# KiCad board 11-10084__speedy_processing_module__B.kicad_pcb (continued)
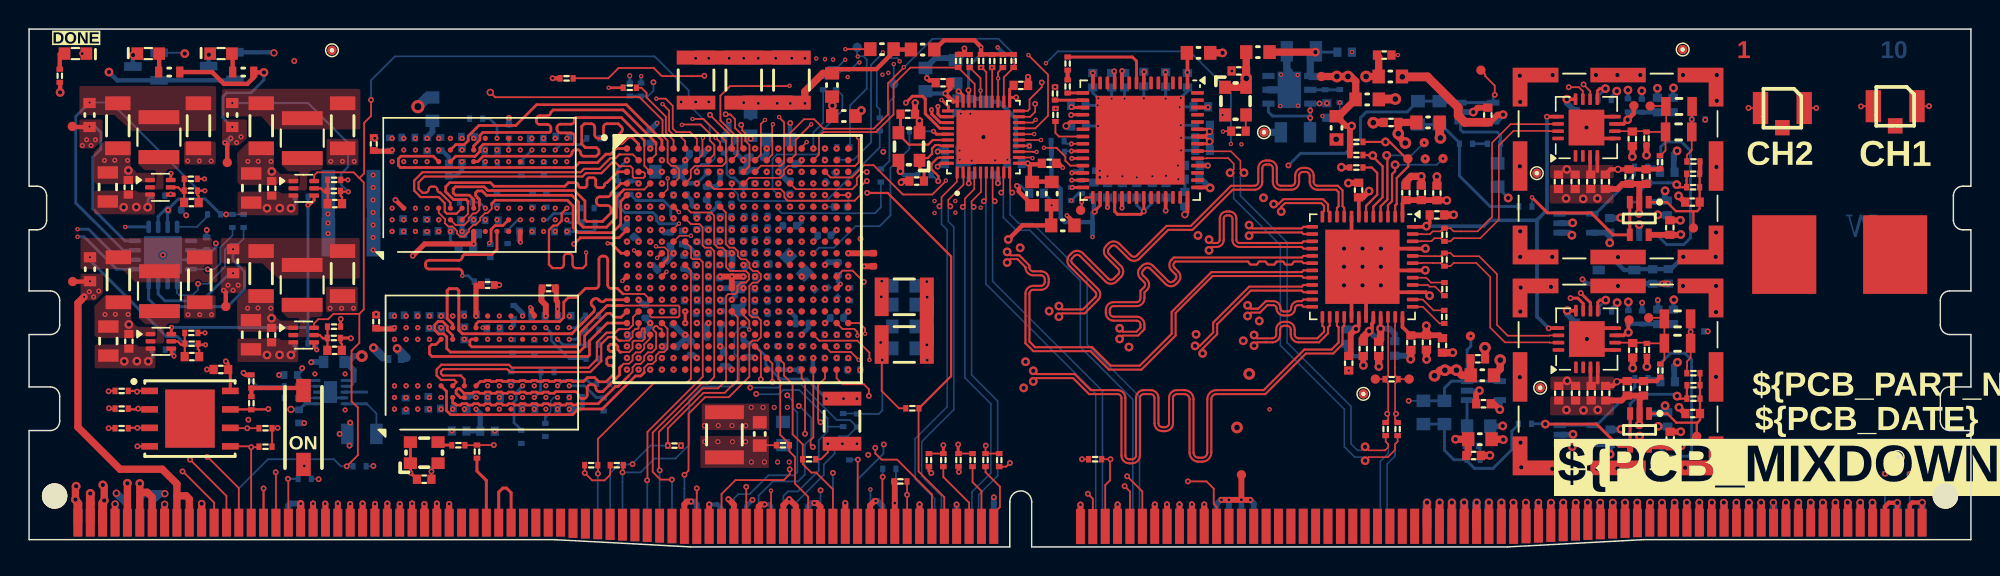
[diagram p0: board, top side]
## Routing (per net, layer and track width the routed paths; a pad name or vN(x,y) marks a point on that pad's centre or on a via; arc(x,y) is an arc through that point) (continued)
/TOP_LEVEL_IO/TTC0_IN: length 28.7
  L7 w0.12: v2(53.06,24.19) 54.28,22.96 54.28,14.27 55.06,13.49 55.06,12.4 56.03,11.43 58.56,11.43 60.68,9.31 60.68,4.99 59.64,3.95 v2(57.78,3.95)
  L10 w0.12: 57.78,2.39 57.78,3.51 57.78,3.51 v2(57.78,3.95)
/TOP_LEVEL_IO/TTC0_OUT: length 32.5
  L7 w0.12: v1(58.69,7.04) 58.69,7.91 57.61,8.99 51.81,8.99 51.6,9.2 51.6,11.58 51.06,12.13 51.06,25.06 51.32,25.32 51.79,25.32 v2(52.26,25.79)
  L10 w0.12: JEDEC1.208 56.9,4.64 58.67,6.41 58.67,7.02 v1(58.69,7.04)
/TOP_LEVEL_IO/UART1_RX: length 32
  L1 w0.12: v1(57.52,25.77) 57.26,25.77 56.84,25.35 56.84,24.9 56.53,24.59 52.65,24.59 IC1.D15
  L3 w0.12: 55.16,5.13 v1(55.2,5.09) 55.37,5.26 55.37,10.78 55.06,11.08 55.06,20.38 55.9,21.22 55.9,22.64 56.74,23.48 56.74,25.33 57.18,25.77 v1(57.52,25.77)
  L10 w0.12: v1(55.2,5.09) JEDEC1.206
/TOP_LEVEL_IO/UART1_TX: length 27.8
  L3 w0.12: v1(54.35,3.89) 54.35,3.94 54.33,3.97 54.33,7.5 54.81,7.98 54.81,9.2 54.25,9.76 54.25,21.11 53.77,21.6 53.34,21.6 51.92,23.01 51.92,26.92 v2(51.46,27.39)
  L10 w0.12: v1(54.35,3.89) 54.35,3.79 54.35,3.79 JEDEC1.205
/TOP_LEVEL_IO/VCM: length 26.2
  L1 w0.25: v1(104.23,29.58) 104.23,29.58 U3.13 ; v1(104.36,15.03) 104.37,15.04 U7.13 ; U9.48 95.92,22.01 v3(95.96,22.05) 96.18,22.27 C45.2
  L10 w0.25: v1(104.36,15.03) 103.56,15.83 103.56,22.44 103.57,22.45 ; 103.57,22.45 100.3,22.45 99.9,22.05 v3(95.96,22.05) ; 103.57,22.45 103.57,22.49 104.24,23.16 104.24,29.57 v1(104.23,29.58)
/TOP_LEVEL_IO/ZYNQ_CONFIG/PS_CLK: length 32
  L1 w0.114: R59.1 v1(31.91,7) ; R53.2 30.74,6.99
  L5 w0.102: v1(31.91,7) 31.93,7.02 40.43,7.02 45.13,11.72 45.13,12.88 47.88,15.63 47.88,20.04 47.12,20.8 47.12,23.71 46.64,24.19 46.45,24.19 v2(45.86,24.19)
/TOP_LEVEL_IO/ZYNQ_FPGA/D1A+: length 62.1
  L1 w0.143: v3(70.72,16.56) 70.95,16.33 72.37,16.33 73.21,17.17 arc(73.29,17.36) 73.21,17.54 71.45,19.3 arc(71.3,19.68) 71.45,20.06 71.6,20.2 arc(71.98,20.36) 72.35,20.2 74.11,18.44 arc(74.3,18.36) 74.49,18.44 74.79,18.75 arc(74.87,18.93) 74.79,19.12 73.97,19.94 arc(73.81,20.32) 73.97,20.7 74.11,20.84 arc(74.49,21) 74.87,20.84 75.69,20.02 arc(75.88,19.94) 76.06,20.02 78.11,22.07 79.78,22.07 82.54,24.83 84.15,24.83 arc(84.34,24.91) 84.41,25.09 84.41,26.03 arc(84.57,26.41) 84.95,26.57 85.15,26.57 arc(85.53,26.41) 85.69,26.03 85.69,25.09 arc(85.76,24.91) 85.95,24.83 86.68,24.83 arc(86.87,24.91) 86.94,25.09 86.94,25.52 arc(87.1,25.9) 87.48,26.06 87.68,26.06 arc(88.06,25.9) 88.22,25.52 88.22,25.09 arc(88.29,24.91) 88.48,24.83 89.88,24.83 90.2,24.5 90.2,23.42 90.32,23.31 U9.9
  L5 w0.133: v3(70.72,16.56) 70.95,16.33 71.36,16.33 71.7,16.66 71.7,17.05 71.33,17.42 70.03,17.42 68.67,16.06 56.67,16.06 56.46,15.84 56.11,15.84 55.92,16.04 54.78,16.04 54.38,15.64 53.64,15.64 53.25,16.03 53.25,16.57 53.51,16.83 53.51,17.13 53.71,17.33 53.86,17.33 v2(53.86,17.79)
/TOP_LEVEL_IO/ZYNQ_FPGA/D1A-: length 63.4
  L1 w0.143: U9.10 89.82,23.31 89.93,23.42 89.93,24.39 89.76,24.56 88.48,24.56 arc(88.1,24.71) 87.94,25.09 87.94,25.52 arc(87.87,25.71) 87.68,25.78 87.48,25.78 arc(87.29,25.71) 87.22,25.52 87.22,25.09 arc(87.06,24.71) 86.68,24.56 85.95,24.56 arc(85.57,24.71) 85.41,25.09 85.41,26.03 arc(85.34,26.22) 85.15,26.29 84.95,26.29 arc(84.76,26.22) 84.69,26.03 84.69,25.09 arc(84.53,24.71) 84.15,24.56 82.66,24.56 79.9,21.8 78.23,21.8 76.26,19.83 arc(75.88,19.67) 75.5,19.83 74.67,20.65 arc(74.49,20.73) 74.3,20.65 74.16,20.51 arc(74.08,20.32) 74.16,20.14 74.98,19.31 arc(75.14,18.93) 74.98,18.55 74.68,18.25 arc(74.3,18.09) 73.92,18.25 72.16,20.01 arc(71.98,20.08) 71.79,20.01 71.65,19.87 arc(71.57,19.68) 71.65,19.49 73.41,17.73 arc(73.56,17.36) 73.41,16.98 72.49,16.06 70.95,16.06 v3(70.72,15.83)
  L5 w0.133: v3(70.72,15.83) 70.95,16.06 71.48,16.06 71.96,16.54 71.96,17.16 71.44,17.68 69.93,17.68 68.56,16.32 62.7,16.32 arc(62.55,16.38) 62.49,16.53 arc(62.43,16.68) 62.28,16.74 62.1,16.74 arc(61.95,16.68) 61.89,16.53 arc(61.83,16.38) 61.68,16.32 61.5,16.32 arc(61.35,16.38) 61.29,16.53 arc(61.23,16.68) 61.08,16.74 60.9,16.74 arc(60.75,16.68) 60.69,16.53 arc(60.63,16.38) 60.48,16.32 60.3,16.32 arc(60.15,16.38) 60.09,16.53 arc(60.03,16.68) 59.88,16.74 59.7,16.74 arc(59.55,16.68) 59.49,16.53 arc(59.43,16.38) 59.28,16.32 56.67,16.32 56.46,16.53 56.11,16.53 55.88,16.3 54.67,16.3 54.27,15.9 53.75,15.9 53.51,16.14 53.51,16.46 53.7,16.64 54,16.64 54.2,16.85 54.2,16.99 v2(54.66,16.99)
/TOP_LEVEL_IO/ZYNQ_FPGA/D1B+: length 62.3
  L1 w0.143: v3(85.47,23.57) 85.8,23.57 86.13,23.91 88.85,23.91 89.2,23.55 89.2,23.1 89.32,22.98
  L5 w0.133: v2(54.66,17.79) 54.66,18.42 55.57,19.33 56.42,19.33 56.81,18.95 57.49,18.95 57.5,18.95 61.3,18.95 arc(61.42,19) 61.46,19.12 arc(61.51,19.24) 61.63,19.29 61.9,19.29 arc(62.02,19.24) 62.06,19.12 arc(62.11,19) 62.23,18.95 67.51,18.95 68.29,19.73 68.8,19.73 arc(68.99,19.81) 69.07,20 69.07,20.69 arc(69.22,21.07) 69.6,21.23 69.8,21.23 arc(70.18,21.07) 70.33,20.69 70.33,20 arc(70.41,19.81) 70.6,19.73 71.02,19.73 arc(71.21,19.81) 71.29,20 71.29,20.43 arc(71.44,20.81) 71.82,20.97 72.02,20.97 arc(72.39,20.81) 72.55,20.43 72.55,20 arc(72.63,19.81) 72.82,19.73 73.55,19.73 arc(73.74,19.81) 73.82,20 73.82,20.87 arc(73.98,21.25) 74.35,21.41 74.55,21.41 arc(74.93,21.25) 75.08,20.87 75.08,20 arc(75.16,19.81) 75.35,19.73 76.65,19.73 arc(76.83,19.81) 76.91,20 76.91,20.76 arc(77.07,21.14) 77.45,21.3 77.65,21.3 arc(78.02,21.14) 78.18,20.76 78.18,20 arc(78.26,19.81) 78.45,19.73 81.53,19.73 82.05,20.26 82.05,20.9 79.96,22.98 79.96,23.39 arc(79.88,23.58) 79.7,23.66 77.43,23.66 arc(77.06,23.81) 76.9,24.19 76.9,24.39 arc(77.06,24.77) 77.43,24.92 79.7,24.92 arc(79.88,25) 79.96,25.19 79.96,25.53 80.17,25.73 81.45,25.73 82.44,24.74 83.26,24.74 84.04,23.97 84.04,23.37 84.37,23.03 85.27,23.03 85.47,23.24 v3(85.47,23.57)
/TOP_LEVEL_IO/ZYNQ_FPGA/D1B-: length 62
  L1 w0.143: 88.82,22.98 88.93,23.1 88.93,23.44 88.73,23.64 86.25,23.64 85.99,23.38 v3(85.99,23.05)
  L5 w0.133: v3(85.99,23.05) 85.66,23.05 85.37,22.77 84.27,22.77 83.78,23.26 83.78,23.86 83.16,24.48 82.34,24.48 81.35,25.47 80.27,25.47 80.23,25.42 80.23,25.19 arc(80.07,24.81) 79.7,24.66 77.43,24.66 arc(77.24,24.58) 77.17,24.39 77.17,24.19 arc(77.24,24) 77.43,23.92 79.7,23.92 arc(80.07,23.77) 80.23,23.39 80.23,23.09 82.31,21.01 82.31,20.15 81.63,19.47 78.45,19.47 arc(78.07,19.63) 77.91,20 77.91,20.76 arc(77.83,20.95) 77.65,21.03 77.45,21.03 arc(77.26,20.95) 77.18,20.76 77.18,20 arc(77.02,19.63) 76.65,19.47 75.35,19.47 arc(74.98,19.63) 74.82,20 74.82,20.87 arc(74.74,21.06) 74.55,21.14 74.35,21.14 arc(74.16,21.06) 74.08,20.87 74.08,20 arc(73.93,19.63) 73.55,19.47 72.82,19.47 arc(72.44,19.63) 72.29,20 72.29,20.43 arc(72.21,20.62) 72.02,20.7 71.82,20.7 arc(71.63,20.62) 71.55,20.43 71.55,20 arc(71.39,19.63) 71.02,19.47 70.6,19.47 arc(70.22,19.63) 70.07,20 70.07,20.69 arc(69.99,20.88) 69.8,20.96 69.6,20.96 arc(69.41,20.88) 69.33,20.69 69.33,20 arc(69.18,19.63) 68.8,19.47 68.39,19.47 67.61,18.69 56.7,18.69 56.32,19.07 55.67,19.07 55,18.4 55,17.44 v2(55.46,16.99)
/TOP_LEVEL_IO/ZYNQ_FPGA/D2A+: length 62.4
  L1 w0.143: U9.13 87.52,22.01 87.4,21.89 84.01,21.89 v3(83.78,22.12)
  L5 w0.133: v3(83.78,22.12) 83.55,21.89 83.16,21.89 82.88,21.61 82.88,21.02 arc(83.03,20.64) 83.41,20.49 84.51,20.49 arc(84.89,20.64) 85.04,21.02 85.04,21.73 arc(85.12,21.92) 85.31,22 85.51,22 arc(85.7,21.92) 85.78,21.73 85.78,21.02 arc(85.93,20.64) 86.31,20.49 86.65,20.49 arc(87.02,20.64) 87.18,21.02 87.18,22.1 arc(87.26,22.29) 87.45,22.37 87.65,22.37 arc(87.84,22.29) 87.91,22.1 87.91,21.02 arc(88.07,20.64) 88.45,20.49 88.92,20.49 arc(89.11,20.41) 89.19,20.22 89.19,20.02 arc(89.11,19.83) 88.92,19.75 88.05,19.75 arc(87.68,19.6) 87.52,19.22 87.52,19.17 arc(87.44,18.98) 87.25,18.9 87.05,18.9 arc(86.86,18.98) 86.79,19.17 86.79,19.22 arc(86.63,19.6) 86.25,19.75 83.41,19.75 arc(83.03,19.6) 82.88,19.22 82.88,19.02 82.53,18.66 76.96,18.66 arc(76.59,18.51) 76.43,18.13 76.43,17.85 arc(76.35,17.66) 76.16,17.58 75.96,17.58 arc(75.77,17.66) 75.69,17.85 75.69,18.13 arc(75.54,18.51) 75.16,18.66 74.81,18.66 arc(74.44,18.51) 74.28,18.13 74.28,16.1 arc(74.2,15.91) 74.01,15.83 73.81,15.83 arc(73.62,15.91) 73.54,16.1 73.54,18.13 arc(73.39,18.51) 73.01,18.66 68.54,18.66 67.7,17.82 67.35,17.82 arc(66.97,17.67) 66.82,17.29 66.82,17.25 arc(66.74,17.06) 66.55,16.98 66.35,16.98 arc(66.16,17.06) 66.08,17.25 66.08,17.29 arc(65.93,17.67) 65.55,17.82 64.78,17.82 arc(64.4,17.67) 64.25,17.29 64.25,17.25 arc(64.17,17.06) 63.98,16.98 63.78,16.98 arc(63.59,17.06) 63.51,17.25 63.51,17.29 arc(63.36,17.67) 62.98,17.82 57.87,17.82 57.57,17.52 56.52,17.52 v2(56.26,17.79)
/TOP_LEVEL_IO/ZYNQ_FPGA/D2A-: length 62.3
  L1 w0.143: v3(83.78,21.39) 84.01,21.62 87.4,21.62 87.52,21.51 U9.14
  L5 w0.133: v3(83.78,21.39) 83.55,21.62 83.26,21.62 83.14,21.5 83.14,21.02 arc(83.22,20.83) 83.41,20.75 84.51,20.75 arc(84.7,20.83) 84.78,21.02 84.78,21.73 arc(84.93,22.11) 85.31,22.26 85.51,22.26 arc(85.89,22.11) 86.04,21.73 86.04,21.02 arc(86.12,20.83) 86.31,20.75 86.65,20.75 arc(86.84,20.83) 86.91,21.02 86.91,22.1 arc(87.07,22.48) 87.45,22.63 87.65,22.63 arc(88.02,22.48) 88.18,22.1 88.18,21.02 arc(88.26,20.83) 88.45,20.75 88.92,20.75 arc(89.3,20.6) 89.45,20.22 89.45,20.02 arc(89.3,19.64) 88.92,19.49 88.05,19.49 arc(87.86,19.41) 87.79,19.22 87.79,19.17 arc(87.63,18.79) 87.25,18.64 87.05,18.64 arc(86.68,18.79) 86.52,19.17 86.52,19.22 arc(86.44,19.41) 86.25,19.49 83.41,19.49 arc(83.22,19.41) 83.14,19.22 83.14,18.91 82.63,18.4 76.96,18.4 arc(76.77,18.32) 76.69,18.13 76.69,17.85 arc(76.54,17.48) 76.16,17.32 75.96,17.32 arc(75.59,17.48) 75.43,17.85 75.43,18.13 arc(75.35,18.32) 75.16,18.4 74.81,18.4 arc(74.62,18.32) 74.54,18.13 74.54,16.1 arc(74.39,15.73) 74.01,15.57 73.81,15.57 arc(73.44,15.73) 73.28,16.1 73.28,18.13 arc(73.2,18.32) 73.01,18.4 68.64,18.4 67.8,17.56 67.35,17.56 arc(67.16,17.48) 67.08,17.29 67.08,17.25 arc(66.93,16.88) 66.55,16.72 66.35,16.72 arc(65.97,16.88) 65.82,17.25 65.82,17.29 arc(65.74,17.48) 65.55,17.56 64.78,17.56 arc(64.59,17.48) 64.51,17.29 64.51,17.25 arc(64.36,16.88) 63.98,16.72 63.78,16.72 arc(63.4,16.88) 63.25,17.25 63.25,17.29 arc(63.17,17.48) 62.98,17.56 57.98,17.56 57.67,17.26 56.52,17.26 v2(56.26,16.99)
/TOP_LEVEL_IO/ZYNQ_FPGA/D2B+: length 59
  L1 w0.143: U9.15 87.52,21.01 87.4,20.89 83.12,20.89 arc(82.97,20.96) 82.91,21.11 82.91,22.58 arc(82.77,22.92) 82.43,23.06 82.25,23.06 arc(81.91,22.92) 81.77,22.58 81.77,21.11 arc(81.7,20.96) 81.56,20.89 81.26,20.89 v3(81.03,21.12)
  L5 w0.133: v2(51.46,16.99) 51.46,17.27 51.8,17.62 51.8,18.41 51.81,18.42 51.81,19.36 51.49,19.68 51.49,20.66 52.77,21.93 54.06,21.93 54.55,22.42 55.76,22.42 arc(55.95,22.5) 56.03,22.69 56.03,23.02 arc(56.19,23.4) 56.56,23.56 56.76,23.56 arc(57.14,23.4) 57.29,23.02 57.29,22.69 arc(57.37,22.5) 57.56,22.42 57.83,22.42 arc(58.02,22.5) 58.1,22.69 58.1,25.55 arc(58.26,25.93) 58.63,26.09 58.83,26.09 arc(59.21,25.93) 59.36,25.55 59.36,22.69 arc(59.44,22.5) 59.63,22.42 60.14,22.42 60.89,21.67 61.93,21.67 arc(62.31,21.52) 62.46,21.14 62.46,21.07 arc(62.54,20.88) 62.73,20.8 62.93,20.8 arc(63.12,20.88) 63.2,21.07 63.2,21.14 arc(63.36,21.52) 63.73,21.67 64.5,21.67 65.63,22.8 67.79,22.8 arc(67.95,22.87) 68.01,23.02 68.01,24.04 arc(68.15,24.38) 68.5,24.53 68.67,24.53 arc(69.01,24.38) 69.16,24.04 69.16,23.02 arc(69.22,22.87) 69.38,22.8 69.48,22.8 70.15,22.13 78.32,22.13 79.56,20.89 80.8,20.89 v3(81.03,21.12)
/TOP_LEVEL_IO/ZYNQ_FPGA/D2B-: length 59.7
  L1 w0.143: v3(81.03,20.39) 81.26,20.62 81.56,20.62 arc(81.9,20.76) 82.04,21.11 82.04,22.58 arc(82.1,22.73) 82.25,22.79 82.43,22.79 arc(82.57,22.73) 82.64,22.58 82.64,21.11 arc(82.78,20.76) 83.12,20.62 87.4,20.62 87.52,20.51 U9.16
  L5 w0.133: v2(51.46,16.19) 51.83,16.56 51.83,17.24 52.08,17.49 52.08,18.41 52.07,18.42 52.07,19.47 51.75,19.79 51.75,20.55 52.87,21.67 54.16,21.67 54.65,22.16 55.76,22.16 arc(56.14,22.32) 56.29,22.69 56.29,23.02 arc(56.37,23.21) 56.56,23.29 56.76,23.29 arc(56.95,23.21) 57.03,23.02 57.03,22.69 arc(57.19,22.32) 57.56,22.16 57.83,22.16 arc(58.21,22.32) 58.36,22.69 58.36,25.55 arc(58.44,25.74) 58.63,25.82 58.83,25.82 arc(59.02,25.74) 59.1,25.55 59.1,22.69 arc(59.26,22.32) 59.63,22.16 60.04,22.16 60.79,21.41 61.93,21.41 arc(62.12,21.33) 62.2,21.14 62.2,21.07 arc(62.36,20.7) 62.73,20.54 62.93,20.54 arc(63.31,20.7) 63.46,21.07 63.46,21.14 arc(63.54,21.33) 63.73,21.41 64.6,21.41 65.73,22.54 67.79,22.54 arc(68.13,22.68) 68.28,23.02 68.28,24.04 arc(68.34,24.2) 68.5,24.26 68.67,24.26 arc(68.83,24.2) 68.89,24.04 68.89,23.02 arc(69.03,22.68) 69.38,22.54 70.05,21.87 78.2,21.87 79.45,20.62 79.86,20.62 arc(79.93,20.59) 79.96,20.52 arc(79.99,20.45) 80.06,20.42 80.46,20.42 arc(80.53,20.45) 80.56,20.52 arc(80.59,20.59) 80.66,20.62 80.8,20.62 v3(81.03,20.39)
/TOP_LEVEL_IO/ZYNQ_FPGA/D3A+: length 51.5
  L1 w0.143: U9.21 87.52,18.01 87.4,17.89 83.79,17.89 81.31,15.42 81.31,14.74 80.4,13.82 v3(80.07,13.82)
  L5 w0.133: v2(52.26,13.79) 51.99,13.52 51.78,13.52 51.39,13.13 51.39,11.84 52.3,10.94 52.92,10.94 53.25,10.61 53.25,8.66 54.3,7.61 66.5,7.61 arc(66.57,7.58) 66.61,7.5 arc(66.72,7.24) 66.98,7.13 67.48,7.13 arc(67.74,7.24) 67.85,7.5 arc(67.88,7.58) 67.96,7.61 77.39,7.61 81.44,11.66 81.44,13.75 81.1,14.1 80.67,14.1 80.4,13.82 v3(80.07,13.82)
/TOP_LEVEL_IO/ZYNQ_FPGA/D3A-: length 52.4
  L1 w0.143: U9.22 87.52,17.51 87.4,17.62 83.9,17.62 81.59,15.31 81.59,14.63 80.59,13.63 v3(80.59,13.3)
  L5 w0.133: v2(52.26,12.99) 51.99,13.26 51.89,13.26 51.66,13.03 51.66,11.95 52.4,11.2 53.03,11.2 53.51,10.72 53.51,8.77 54.4,7.87 66.5,7.87 arc(66.76,7.77) 66.87,7.5 arc(66.9,7.42) 66.98,7.39 67.48,7.39 arc(67.55,7.42) 67.59,7.5 arc(67.7,7.77) 67.96,7.87 77.29,7.87 77.63,8.22 arc(77.68,8.35) 77.63,8.48 77.6,8.51 arc(77.54,8.64) 77.6,8.77 77.66,8.84 arc(77.79,8.89) 77.92,8.84 77.96,8.8 arc(78.09,8.75) 78.22,8.8 78.28,8.87 arc(78.33,9) 78.28,9.13 78.25,9.16 arc(78.19,9.29) 78.25,9.42 78.31,9.49 arc(78.44,9.54) 78.57,9.49 78.61,9.46 arc(78.74,9.4) 78.87,9.46 78.93,9.52 arc(78.99,9.65) 78.93,9.78 78.9,9.82 arc(78.84,9.95) 78.9,10.08 78.96,10.14 arc(79.09,10.19) 79.22,10.14 79.26,10.11 arc(79.39,10.05) 79.52,10.11 79.58,10.17 arc(79.64,10.3) 79.58,10.43 79.55,10.47 arc(79.49,10.6) 79.55,10.73 79.61,10.79 arc(79.74,10.84) 79.87,10.79 79.91,10.76 arc(80.04,10.7) 80.17,10.76 80.23,10.82 arc(80.29,10.95) 80.23,11.08 80.2,11.12 arc(80.14,11.25) 80.2,11.38 80.26,11.44 arc(80.39,11.5) 80.52,11.44 80.56,11.41 arc(80.69,11.35) 80.82,11.41 81.18,11.77 81.18,12.23 arc(81.12,12.36) 80.99,12.41 80.94,12.41 arc(80.81,12.47) 80.76,12.6 80.76,12.69 arc(80.81,12.82) 80.94,12.87 80.99,12.87 arc(81.12,12.93) 81.18,13.06 81.18,13.64 80.99,13.83 80.79,13.83 80.59,13.63 v3(80.59,13.3)
/TOP_LEVEL_IO/ZYNQ_FPGA/D3B+: length 65.7
  L1 w0.143: v3(83.68,16.61) 83.91,16.38 84.41,16.38 84.93,16.89 85.45,16.89 arc(85.79,16.75) 85.94,16.4 arc(86,16.25) 86.15,16.19 86.45,16.19 arc(86.6,16.25) 86.67,16.4 arc(86.81,16.75) 87.15,16.89 87.4,16.89 87.52,17.01 U9.23
  L5 w0.133: v3(83.68,16.61) 83.45,16.37 83.1,16.37 arc(82.73,16.22) 82.57,15.84 82.57,14.48 arc(82.49,14.29) 82.3,14.21 82.1,14.21 arc(81.91,14.29) 81.83,14.48 81.83,15.84 arc(81.68,16.22) 81.3,16.37 80.37,16.37 79.84,15.85 arc(79.65,15.77) 79.46,15.85 79,16.31 arc(78.63,16.47) 78.25,16.31 78.11,16.17 arc(77.95,15.79) 78.11,15.42 79.28,14.25 arc(79.36,14.06) 79.28,13.87 79.14,13.73 arc(78.95,13.65) 78.76,13.73 78.61,13.87 arc(78.24,14.03) 77.86,13.87 77.49,13.5 77.49,12.69 arc(77.33,12.31) 77.49,11.94 77.93,11.49 arc(78.01,11.3) 77.94,11.11 77.79,10.97 arc(77.6,10.89) 77.41,10.97 76.97,11.41 arc(76.59,11.57) 76.22,11.41 76.06,11.26 arc(75.9,10.88) 76.06,10.5 76.52,10.04 arc(76.6,9.85) 76.52,9.66 76.38,9.52 arc(76.19,9.44) 76,9.52 74.5,11.02 arc(74.13,11.17) 73.75,11.02 73.61,10.88 arc(73.45,10.5) 73.61,10.12 74.08,9.66 arc(74.16,9.47) 74.08,9.28 73.9,9.1 70.88,9.1 arc(70.64,9) 70.55,8.77 arc(70.53,8.72) 70.48,8.7 69.83,8.7 arc(69.78,8.72) 69.76,8.77 69.76,9.17 arc(69.66,9.4) 69.43,9.5 68.78,9.5 arc(68.54,9.4) 68.45,9.17 68.45,8.77 arc(68.43,8.72) 68.38,8.7 67.73,8.7 arc(67.68,8.72) 67.66,8.77 67.66,9.17 arc(67.56,9.4) 67.33,9.5 66.68,9.5 arc(66.44,9.4) 66.35,9.17 66.35,8.77 arc(66.33,8.72) 66.28,8.7 65.63,8.7 arc(65.58,8.72) 65.56,8.77 65.56,9.17 arc(65.46,9.4) 65.23,9.5 64.58,9.5 arc(64.34,9.4) 64.25,9.17 64.25,8.77 arc(64.23,8.72) 64.18,8.7 63.53,8.7 arc(63.48,8.72) 63.46,8.77 63.46,9.17 arc(63.36,9.4) 63.13,9.5 62.48,9.5 arc(62.24,9.4) 62.15,9.17 62.15,8.77 arc(62.13,8.72) 62.08,8.7 61.43,8.7 arc(61.38,8.72) 61.36,8.77 61.36,9.17 arc(61.26,9.4) 61.03,9.5 60.38,9.5 arc(60.14,9.4) 60.05,9.17 60.05,8.77 arc(60.03,8.72) 59.98,8.7 59.33,8.7 arc(59.28,8.72) 59.26,8.77 arc(59.16,9) 58.93,9.1 57.62,9.1 arc(57.47,9.16) 57.41,9.31 arc(57.27,9.64) 56.93,9.78 56.62,9.78 arc(56.28,9.64) 56.14,9.31 arc(56.08,9.16) 55.93,9.1 55,9.1 54.26,9.85 54.26,11.27 53.32,12.21 53.32,12.67 53.51,12.86 53.51,13.67 53.4,13.79 v2(53.06,13.79)
/TOP_LEVEL_IO/ZYNQ_FPGA/D3B-: length 64.9
  L1 w0.143: v3(83.68,15.88) 83.91,16.11 84.53,16.11 85.04,16.62 85.45,16.62 arc(85.6,16.56) 85.67,16.4 arc(85.81,16.06) 86.15,15.91 86.45,15.91 arc(86.79,16.06) 86.94,16.4 arc(87,16.56) 87.15,16.62 87.4,16.62 87.52,16.51 U9.24
  L5 w0.133: v3(83.68,15.88) 83.45,16.11 83.1,16.11 arc(82.91,16.03) 82.83,15.84 82.83,14.48 arc(82.68,14.11) 82.3,13.95 82.1,13.95 arc(81.73,14.11) 81.57,14.48 81.57,15.84 arc(81.49,16.03) 81.3,16.11 80.47,16.11 80.03,15.66 arc(79.65,15.51) 79.28,15.66 78.82,16.13 arc(78.63,16.2) 78.44,16.13 78.29,15.98 arc(78.22,15.79) 78.29,15.6 79.46,14.44 arc(79.62,14.06) 79.46,13.68 79.32,13.54 arc(78.95,13.39) 78.57,13.54 78.43,13.68 arc(78.24,13.76) 78.05,13.68 77.75,13.39 77.75,12.58 77.67,12.5 arc(77.6,12.31) 77.67,12.12 78.12,11.67 arc(78.28,11.3) 78.12,10.92 77.98,10.78 arc(77.6,10.63) 77.23,10.78 76.78,11.23 arc(76.59,11.31) 76.4,11.23 76.24,11.07 arc(76.16,10.88) 76.24,10.69 76.71,10.22 arc(76.87,9.85) 76.71,9.47 76.57,9.33 arc(76.19,9.17) 75.82,9.33 74.32,10.83 arc(74.13,10.91) 73.94,10.83 73.8,10.69 arc(73.72,10.5) 73.8,10.31 74.26,9.84 arc(74.42,9.47) 74.26,9.09 74.01,8.84 70.88,8.84 arc(70.83,8.82) 70.81,8.77 arc(70.71,8.54) 70.48,8.44 69.83,8.44 arc(69.59,8.54) 69.5,8.77 69.5,9.17 arc(69.48,9.21) 69.43,9.23 68.78,9.23 arc(68.73,9.21) 68.71,9.17 68.71,8.77 arc(68.61,8.54) 68.38,8.44 67.73,8.44 arc(67.49,8.54) 67.4,8.77 67.4,9.17 arc(67.38,9.21) 67.33,9.23 66.68,9.23 arc(66.63,9.21) 66.61,9.17 66.61,8.77 arc(66.51,8.54) 66.28,8.44 65.63,8.44 arc(65.39,8.54) 65.3,8.77 65.3,9.17 arc(65.28,9.21) 65.23,9.23 64.58,9.23 arc(64.53,9.21) 64.51,9.17 64.51,8.77 arc(64.41,8.54) 64.18,8.44 63.53,8.44 arc(63.29,8.54) 63.2,8.77 63.2,9.17 arc(63.18,9.21) 63.13,9.23 62.48,9.23 arc(62.43,9.21) 62.41,9.17 62.41,8.77 arc(62.31,8.54) 62.08,8.44 61.43,8.44 arc(61.19,8.54) 61.1,8.77 61.1,9.17 arc(61.08,9.21) 61.03,9.23 60.38,9.23 arc(60.33,9.21) 60.31,9.17 60.31,8.77 arc(60.21,8.54) 59.98,8.44 59.33,8.44 arc(59.09,8.54) 59,8.77 arc(58.98,8.82) 58.93,8.84 57.62,8.84 arc(57.28,8.97) 57.14,9.31 arc(57.08,9.46) 56.93,9.52 56.62,9.52 arc(56.47,9.46) 56.41,9.31 arc(56.27,8.97) 55.93,8.84 54.9,8.84 53.99,9.74 53.99,11.16 53.06,12.1 v2(53.06,12.99)
/TOP_LEVEL_IO/ZYNQ_FPGA/D4A+: length 65.4
  L1 w0.143: U9.25 88.82,15.21 88.93,15.09 88.93,14.79 88.47,14.34 87.18,14.34 arc(86.99,14.42) 86.91,14.6 86.91,14.94 arc(86.76,15.32) 86.38,15.48 86.18,15.48 arc(85.8,15.32) 85.64,14.94 85.64,14.6 arc(85.56,14.42) 85.38,14.34 84.35,14.34 v3(84.12,14.57)
  L5 w0.133: v3(84.12,14.57) 84.35,14.34 85.43,14.34 85.53,14.44 85.53,14.79 arc(85.68,15.17) 86.06,15.32 88.11,15.32 arc(88.3,15.4) 88.38,15.59 88.38,15.79 arc(88.3,15.98) 88.11,16.06 86.06,16.06 arc(85.68,16.21) 85.53,16.59 85.53,17.05 85.08,17.5 78.17,17.5 76.45,15.78 76.45,13.04 75.03,11.62 74.73,11.62 arc(74.35,11.78) 74.19,12.15 74.19,13.1 arc(74.12,13.29) 73.93,13.37 73.73,13.37 arc(73.54,13.29) 73.46,13.1 73.46,12.15 arc(73.3,11.78) 72.93,11.62 72.71,11.62 72.53,11.44 72.53,10.56 72.03,10.06 71.42,10.06 arc(71.04,10.22) 70.88,10.59 70.88,12 arc(70.81,12.19) 70.62,12.27 70.42,12.27 arc(70.23,12.19) 70.15,12 70.15,10.59 arc(69.99,10.22) 69.62,10.06 64.88,10.06 arc(64.51,10.22) 64.35,10.59 64.35,10.71 arc(64.27,10.9) 64.08,10.98 63.88,10.98 arc(63.69,10.9) 63.61,10.71 63.61,10.59 arc(63.46,10.22) 63.08,10.06 62.88,10.06 arc(62.51,10.22) 62.35,10.59 62.35,10.71 arc(62.27,10.9) 62.08,10.98 61.88,10.98 arc(61.69,10.9) 61.61,10.71 61.61,10.59 arc(61.46,10.22) 61.08,10.06 60.88,10.06 arc(60.51,10.22) 60.35,10.59 60.35,10.71 arc(60.27,10.9) 60.08,10.98 59.88,10.98 arc(59.69,10.9) 59.61,10.71 59.61,10.59 arc(59.46,10.22) 59.08,10.06 58.6,10.06 57.5,11.16 55.95,11.16 55.69,11.42 arc(55.52,11.49) 55.35,11.42 55.3,11.37 arc(55.13,11.3) 54.96,11.37 54.88,11.46 arc(54.81,11.63) 54.88,11.8 54.92,11.84 arc(54.99,12.01) 54.92,12.18 54.92,12.72 v2(54.66,12.99)
/TOP_LEVEL_IO/ZYNQ_FPGA/D4A-: length 65.6
  L1 w0.143: v3(84.12,13.84) 84.35,14.07 85.38,14.07 arc(85.76,14.22) 85.91,14.6 85.91,14.94 arc(85.99,15.13) 86.18,15.2 86.38,15.2 arc(86.56,15.13) 86.64,14.94 86.64,14.6 arc(86.8,14.22) 87.18,14.07 88.59,14.07 89.2,14.68 89.2,15.09 89.32,15.21 U9.26
  L5 w0.133: v3(84.12,13.84) 84.35,14.07 85.53,14.07 85.79,14.33 85.79,14.79 arc(85.87,14.98) 86.06,15.06 88.11,15.06 arc(88.49,15.21) 88.64,15.59 88.64,15.79 arc(88.49,16.17) 88.11,16.32 86.06,16.32 arc(85.87,16.4) 85.79,16.59 85.79,17.16 85.18,17.76 78.07,17.76 76.19,15.89 76.19,13.15 74.93,11.88 74.73,11.88 arc(74.54,11.96) 74.46,12.15 74.46,13.1 arc(74.3,13.48) 73.93,13.64 73.73,13.64 arc(73.35,13.48) 73.19,13.1 73.19,12.15 arc(73.12,11.96) 72.93,11.88 72.61,11.88 72.27,11.55 72.27,10.67 71.93,10.32 71.42,10.32 arc(71.23,10.4) 71.15,10.59 71.15,12 arc(70.99,12.38) 70.62,12.54 70.42,12.54 arc(70.04,12.38) 69.88,12 69.88,10.59 arc(69.81,10.4) 69.62,10.32 64.88,10.32 arc(64.69,10.4) 64.61,10.59 64.61,10.71 arc(64.46,11.09) 64.08,11.25 63.88,11.25 arc(63.51,11.09) 63.35,10.71 63.35,10.59 arc(63.27,10.4) 63.08,10.32 62.88,10.32 arc(62.69,10.4) 62.61,10.59 62.61,10.71 arc(62.46,11.09) 62.08,11.25 61.88,11.25 arc(61.51,11.09) 61.35,10.71 61.35,10.59 arc(61.27,10.4) 61.08,10.32 60.88,10.32 arc(60.69,10.4) 60.61,10.59 60.61,10.71 arc(60.46,11.09) 60.08,11.25 59.88,11.25 arc(59.51,11.09) 59.35,10.71 59.35,10.59 arc(59.27,10.4) 59.08,10.32 58.7,10.32 57.6,11.42 56.05,11.42 55.19,12.29 55.19,12.72 v2(55.46,12.99)
/TOP_LEVEL_IO/ZYNQ_FPGA/D4B+: length 63.6
  L1 w0.143: U9.27 89.82,15.21 89.93,15.09 89.93,14.05 89.44,13.57 87.57,13.57 84.78,10.78 81.54,10.78 arc(81.1,10.6) 80.91,10.15 80.91,6.48 arc(80.81,6.24) 80.56,6.13 80.32,6.13 arc(80.07,6.24) 79.97,6.48 79.97,10.15 arc(79.78,10.6) 79.34,10.78 78.82,10.78 arc(78.44,10.62) 78.28,10.24 78.28,8.5 arc(78.21,8.31) 78.02,8.23 77.82,8.23 arc(77.63,8.31) 77.56,8.5 77.56,10.24 arc(77.4,10.62) 77.02,10.78 76.55,10.78 arc(76.17,10.62) 76.01,10.24 76.01,6.29 arc(75.94,6.1) 75.75,6.02 75.55,6.02 arc(75.36,6.1) 75.29,6.29 75.29,10.24 arc(75.13,10.62) 74.75,10.78 72.91,10.78 71.81,11.88 69.19,11.88 v3(68.96,12.11)
  L5 w0.133: v2(56.26,13.79) 56.52,13.52 56.79,13.52 arc(56.96,13.59) 57.03,13.76 57.03,13.86 arc(57.1,14.03) 57.27,14.1 57.39,14.1 arc(57.56,14.03) 57.63,13.86 57.63,13.76 arc(57.7,13.59) 57.87,13.52 59.46,13.52 61.1,11.87 63.92,11.87 arc(64.11,11.95) 64.19,12.14 64.19,13.15 arc(64.34,13.53) 64.72,13.69 64.92,13.69 arc(65.29,13.53) 65.45,13.15 65.45,12.14 arc(65.53,11.95) 65.72,11.87 68.73,11.87 v3(68.96,12.11)
/TOP_LEVEL_IO/ZYNQ_FPGA/D4B-: length 63.3
  L1 w0.143: v3(68.96,11.38) 69.19,11.61 71.69,11.61 72.79,10.51 74.75,10.51 arc(74.94,10.43) 75.01,10.24 75.01,6.29 arc(75.17,5.91) 75.55,5.75 75.75,5.75 arc(76.13,5.91) 76.29,6.29 76.29,10.24 arc(76.36,10.43) 76.55,10.51 77.02,10.51 arc(77.21,10.43) 77.28,10.24 77.28,8.5 arc(77.44,8.12) 77.82,7.96 78.02,7.96 arc(78.4,8.12) 78.56,8.5 78.56,10.24 arc(78.63,10.43) 78.82,10.51 79.34,10.51 arc(79.59,10.4) 79.69,10.15 79.69,6.48 arc(79.88,6.04) 80.32,5.86 80.56,5.86 arc(81,6.04) 81.19,6.48 81.19,10.15 arc(81.29,10.4) 81.54,10.51 84.9,10.51 87.69,13.3 89.56,13.3 90.2,13.94 90.2,15.09 90.32,15.21 U9.28
  L5 w0.133: v3(68.96,11.38) 68.73,11.61 65.72,11.61 arc(65.34,11.77) 65.19,12.14 65.19,13.15 arc(65.11,13.34) 64.92,13.42 64.72,13.42 arc(64.53,13.34) 64.45,13.15 64.45,12.14 arc(64.29,11.77) 63.92,11.61 61,11.61 59.35,13.26 56.52,13.26 v2(56.26,12.99)
/TOP_LEVEL_IO/ZYNQ_FPGA/FCLK+: length 53.4
  L1 w0.133: v3(67.17,20.28) 67.4,20.05 67.84,20.05
  L1 w0.143: U9.19 87.52,19.01 87.4,18.89 81.2,18.89 78.46,16.16 78.46,14.65 76.27,12.46 74.28,12.46 73.01,13.73 69.08,13.73 68.7,14.11 68.7,17.41 arc(68.77,17.6) 68.96,17.67 69.49,17.67 arc(69.87,17.83) 70.02,18.21 70.02,18.41 arc(69.87,18.79) 69.49,18.95 68.96,18.95 arc(68.77,19.02) 68.7,19.21 68.7,19.35 68,20.05 67.84,20.05
  L5 w0.133: v2(51.46,14.59) 51.72,14.86 51.72,15.31 52.26,15.84 52.4,15.84 52.6,16.05 52.6,16.33 52.52,16.4 52.52,18.22 52.71,18.41 52.71,18.73 52.91,18.93 53.23,18.93 55.12,20.81 58.18,20.81 58.95,20.05 66.93,20.05 v3(67.17,20.28)
/TOP_LEVEL_IO/ZYNQ_FPGA/FCLK-: length 53.9
  L1 w0.133: v3(67.17,19.55) 67.4,19.79 67.84,19.79
  L1 w0.143: U9.20 87.52,18.51 87.4,18.62 81.27,18.62 78.74,16.09 78.74,14.54 76.39,12.19 74.16,12.19 72.89,13.46 68.97,13.46 68.42,14 68.42,17.41 arc(68.58,17.79) 68.96,17.95 69.49,17.95 arc(69.67,18.02) 69.75,18.21 69.75,18.41 arc(69.67,18.6) 69.49,18.67 68.96,18.67 arc(68.58,18.83) 68.42,19.21 68.42,19.24 67.87,19.79 67.84,19.79
  L5 w0.133: v3(67.17,19.55) 66.93,19.79 58.84,19.79 58.08,20.55 55.23,20.55 54.27,19.6 arc(54.2,19.43) 54.27,19.26 54.43,19.1 arc(54.5,18.93) 54.43,18.76 54.34,18.68 arc(54.17,18.61) 54,18.68 53.85,18.83 arc(53.68,18.9) 53.51,18.83 53.4,18.72 53.4,18.45 53.2,18.24 52.92,18.24 52.79,18.11 52.79,16.51 52.86,16.44 52.86,15.94 52.51,15.58 52.37,15.58 51.99,15.2 51.99,14.86 v2(52.26,14.59)
/TOP_LEVEL_IO/ZYNQ_FPGA/LCLK+: length 57.1
  L1 w0.133: 76.3,15.05 76.05,14.79 75.12,14.79 v3(74.89,15.03)